# Altium PCB PCB_gravure_x4.PcbDoc (part 1 of 3)
Units mil, origin at the board's own origin, x right, y up, seen from the top; angles counter-clockwise.
Board outline 7410.01 x 4865 mil, 2 copper layers (Top Layer, Bottom Layer); 380 components, 0 nets, 1052 pads, 200 vias.
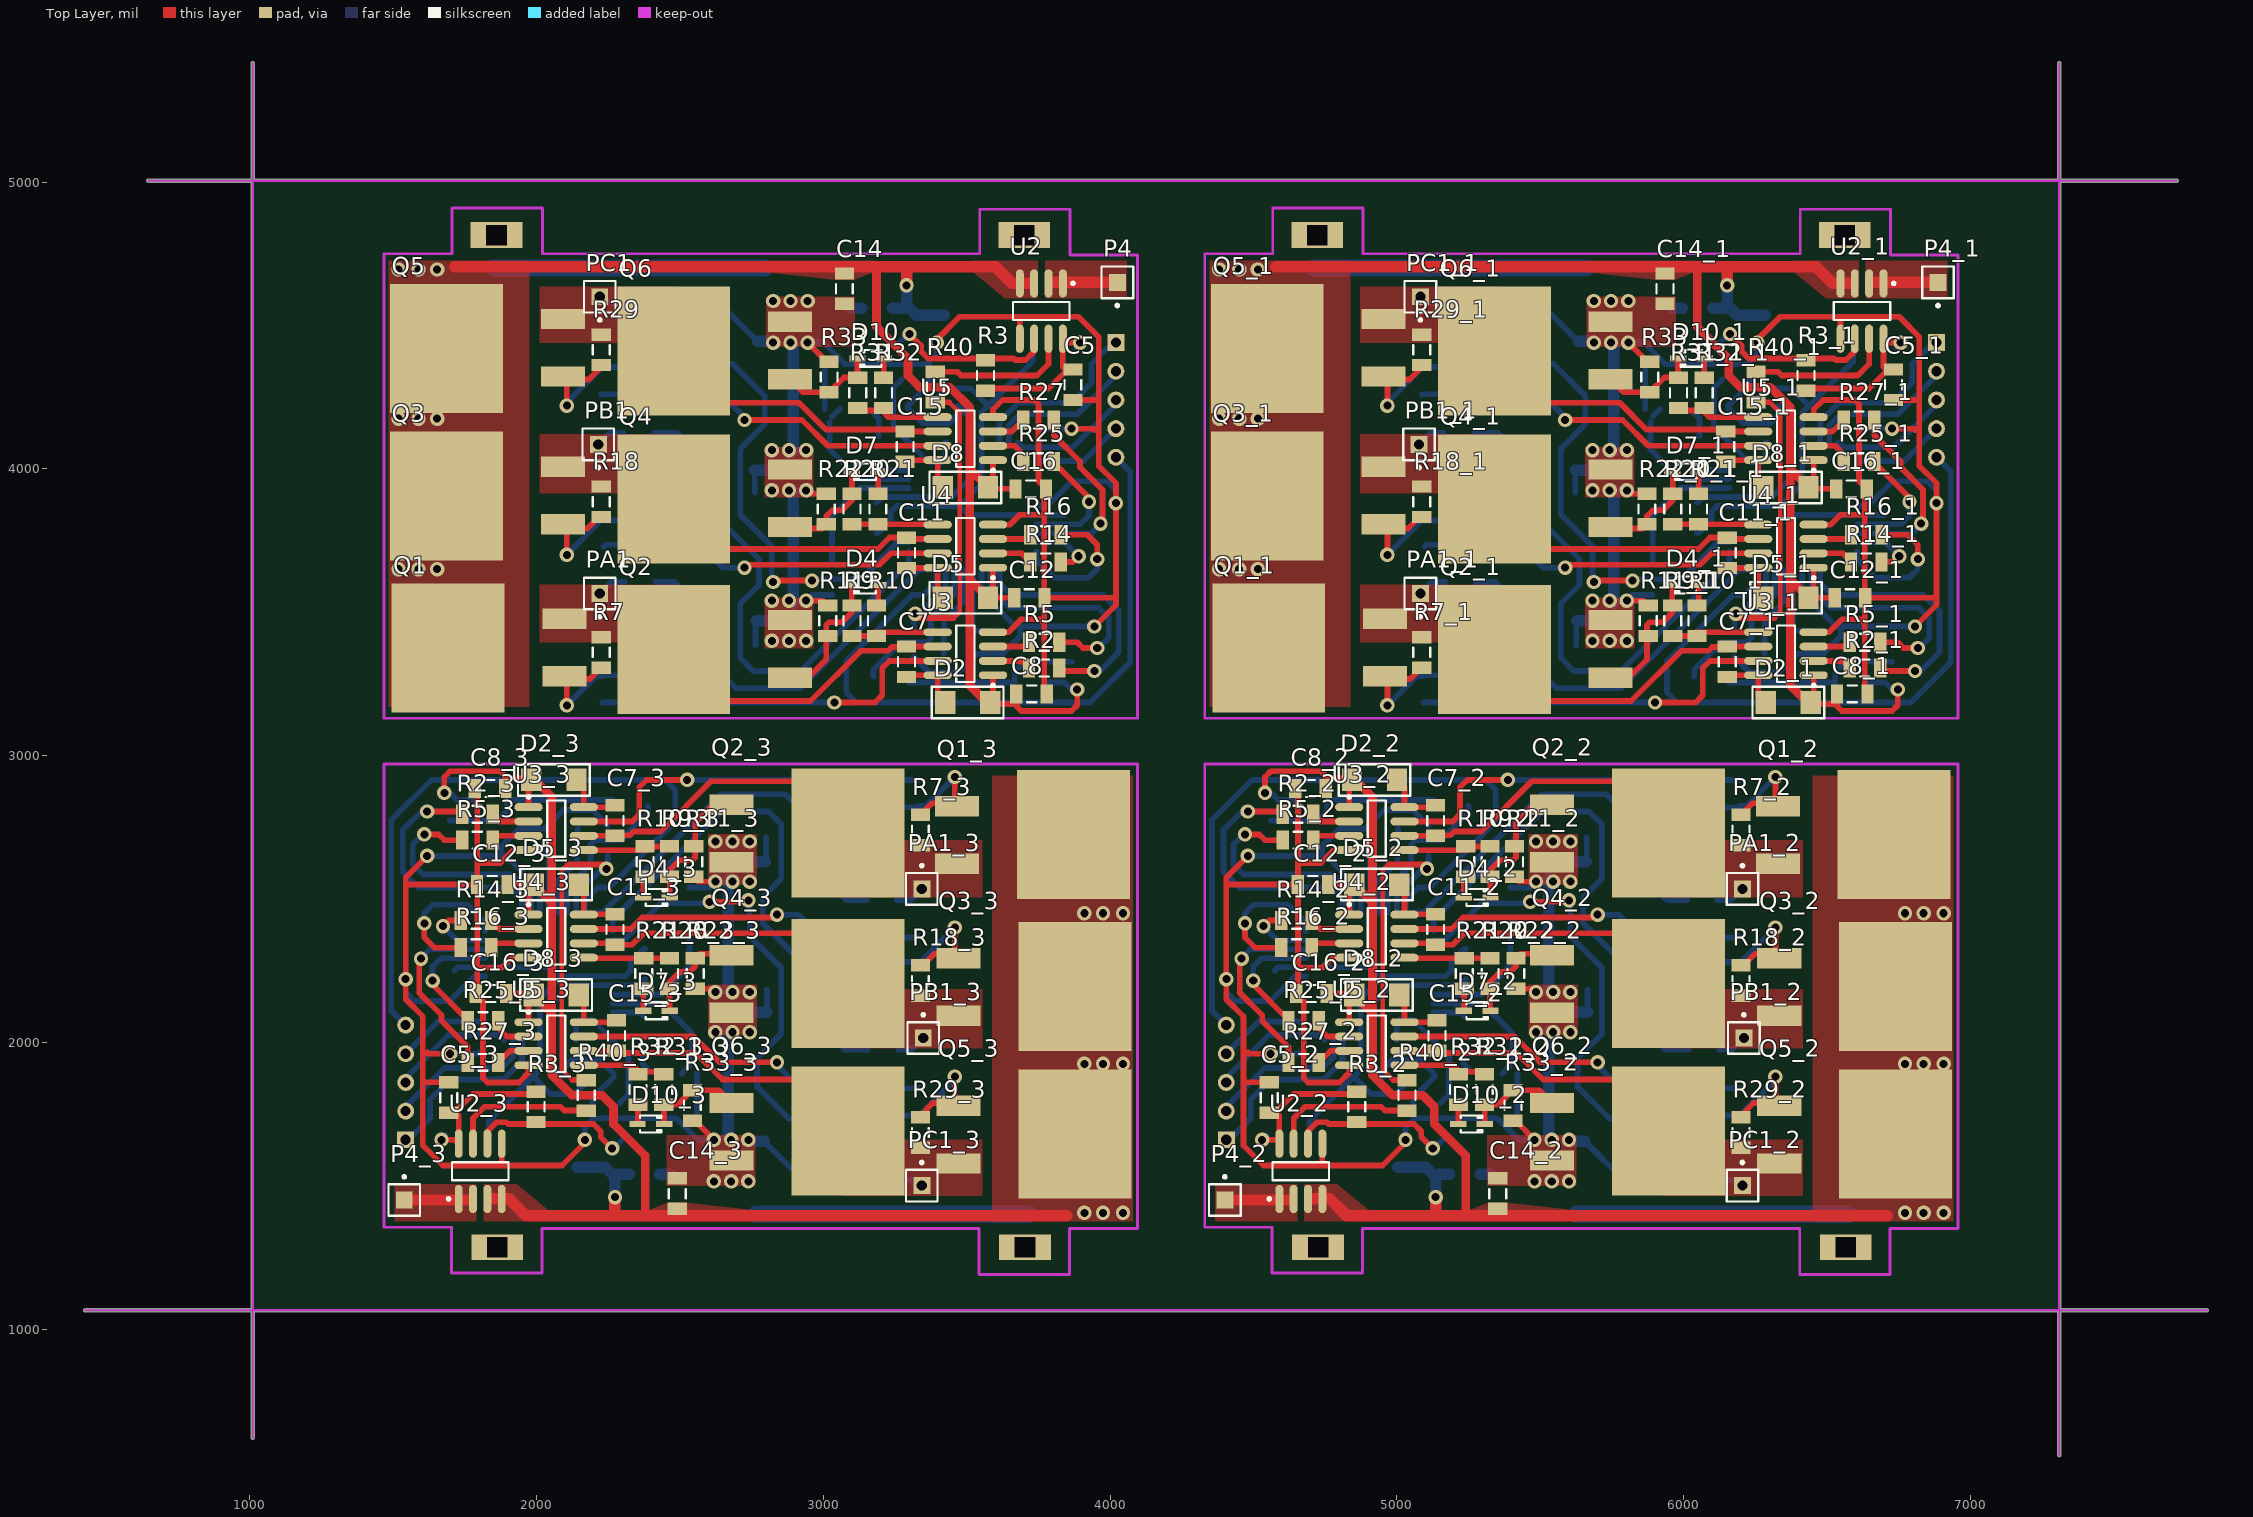
[diagram p0: Top Layer view]
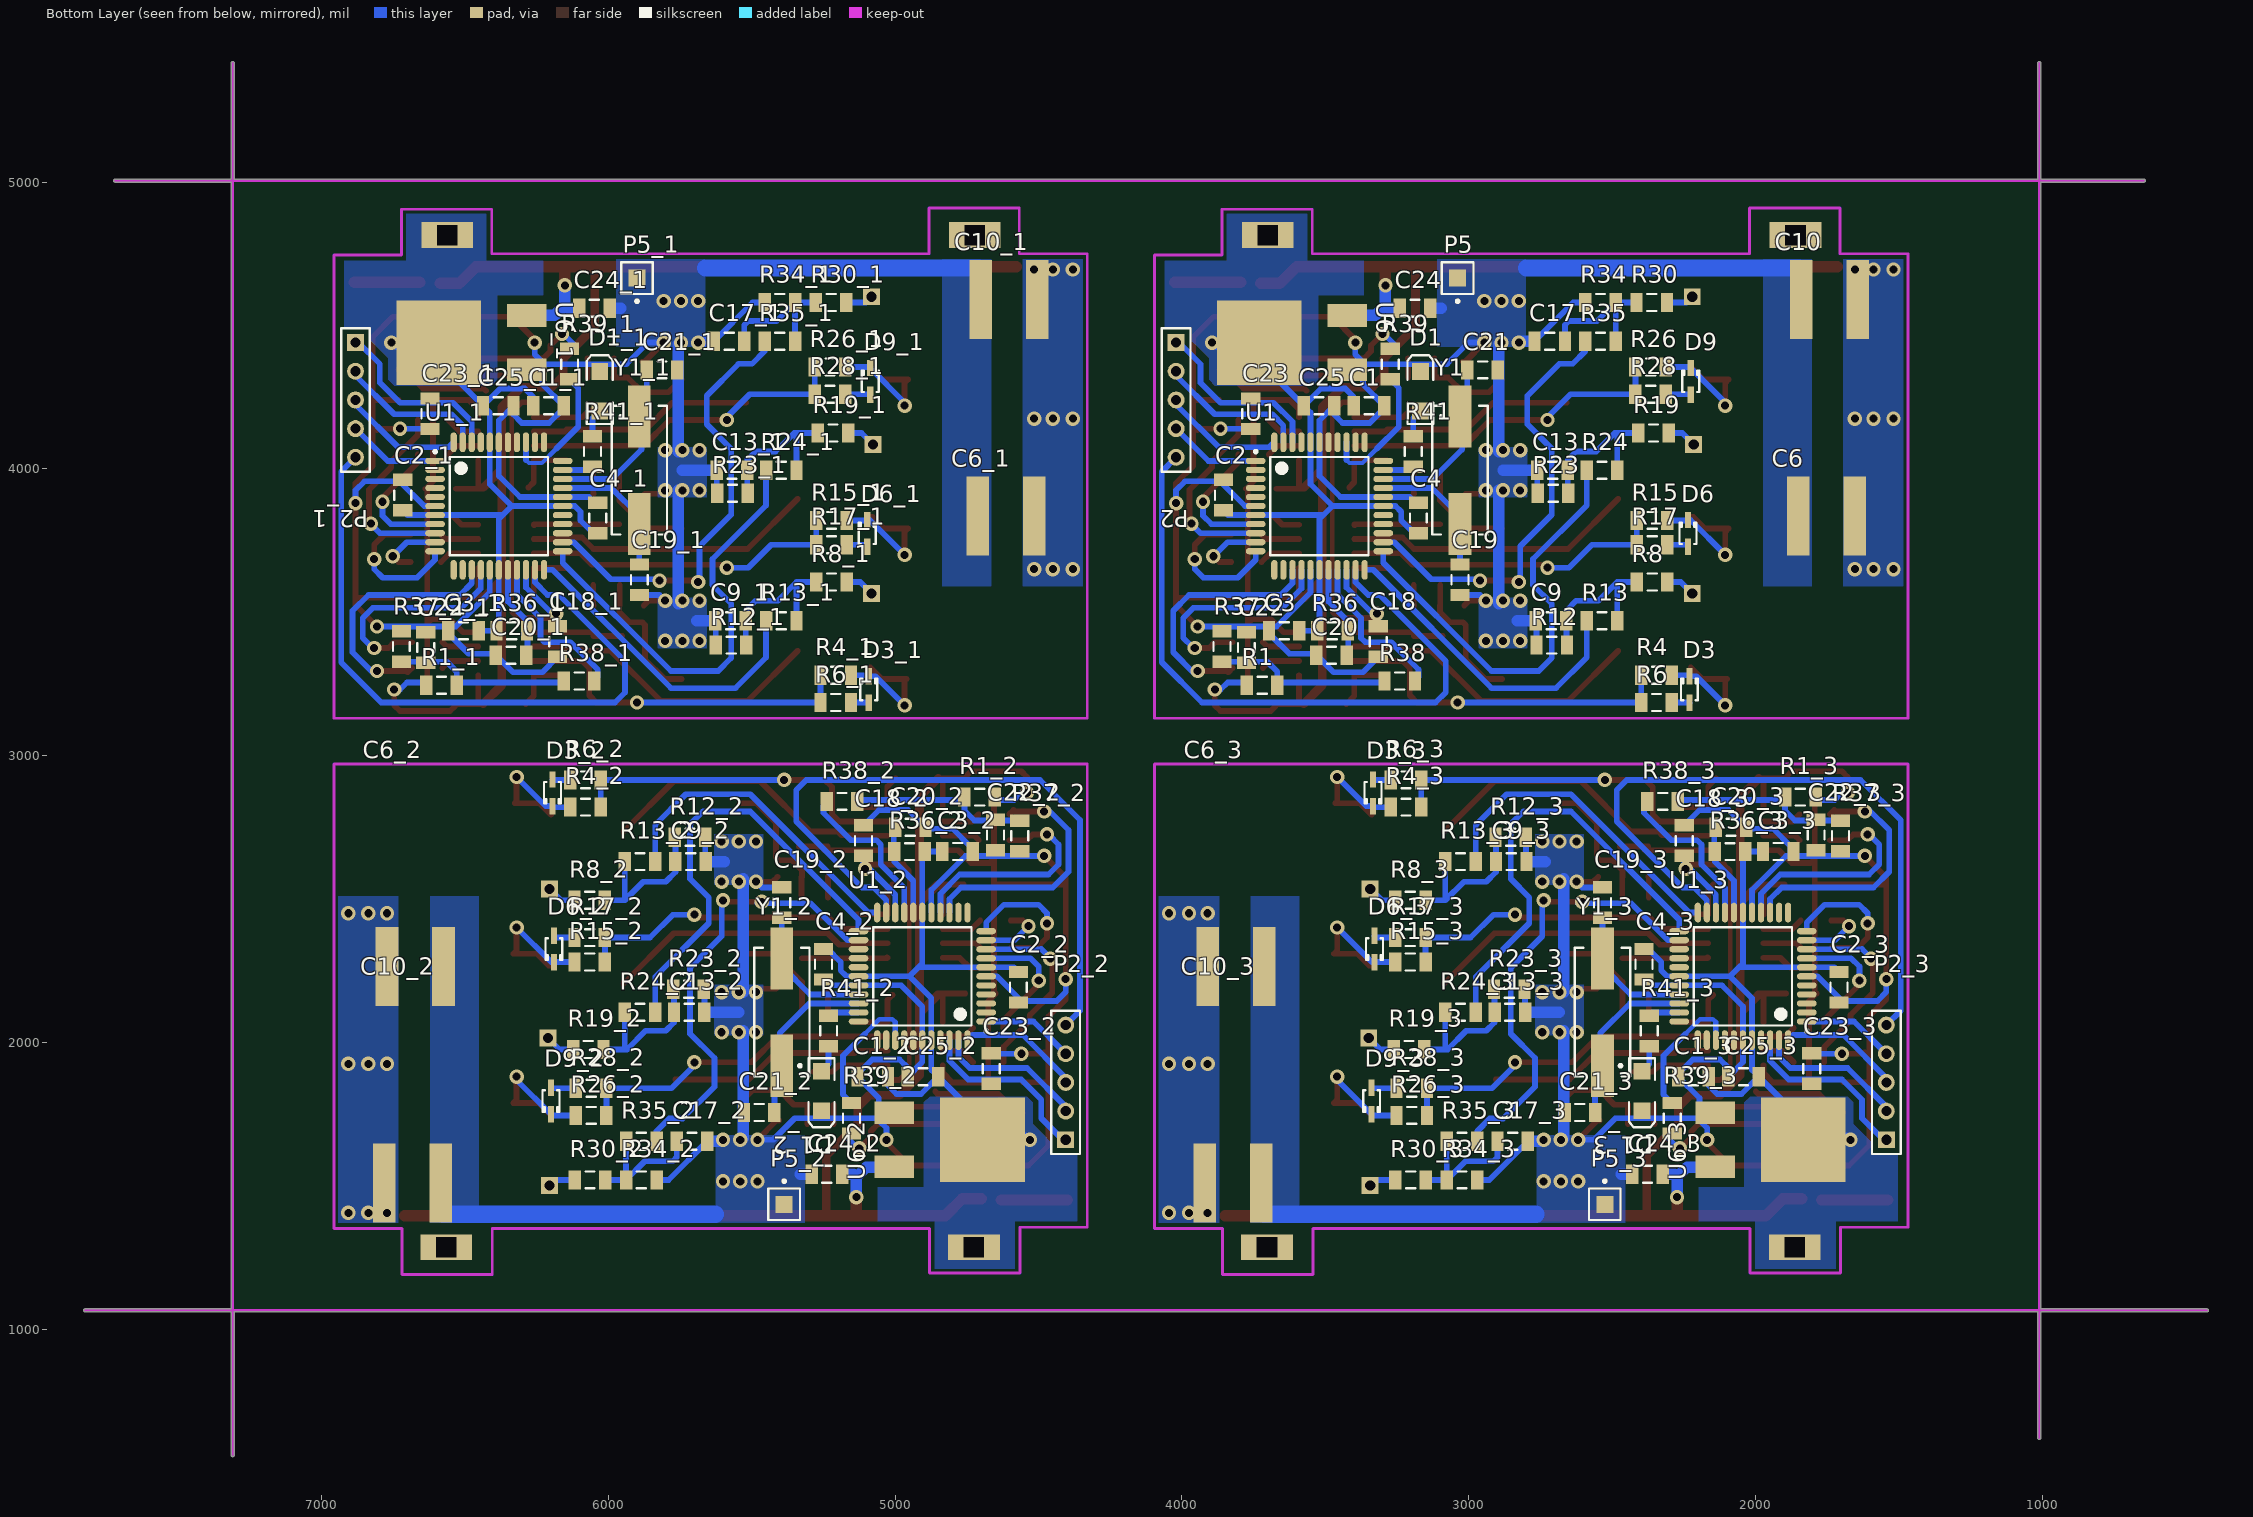
[diagram p1: Bottom Layer view, seen from below]

## Layer stack, top to bottom
Top Solder: solder mask 0.4, Solder Resist, Dk 3.5
Top Layer: signal copper 1.4
Dielectric 1: dielectric 12.6, FR-4, Dk 4.8
Bottom Layer: signal copper 1.4
Bottom Solder: solder mask 0.4, Solder Resist, Dk 3.5

## Board outline
1004.99,620 1004.99,1059.99 425,1059.99 cw(c425,1065) 425,1070.02 1004.99,1070.02 1004.99,4999.99 645,4999.99 cw(c645,5005) 645,5010.02 1004.99,5010.02 1004.99,5415 cw(c1010,5415) 1015.01,5415 1015.01,5010.02 7304.98,5010.02 7304.98,5415 cw(c7310,5415) 7315.02,5415 7315.02,5010.02 7720,5010.02 cw(c7720,5005) 7725.01,5005 cw(c7720,5005) 7720,4999.99 7315.02,4999.99 7315.02,1070.02 7825,1070.02 cw(c7825,1065) 7830.02,1065 cw(c7825,1065) 7825,1059.98 7315.02,1059.98 7315.02,560 cw(c7310,560) 7304.98,560 7304.98,1059.98 1015.01,1059.99 1015.01,620 cw(c1010,620)

## Design rules (kind name [scope] priority, off if disabled: settings)
Clearance [All] p1: gap=1
PolygonConnect [All] p1: connectstyle=Relief reliefconductorwidth=10 reliefentries=4 polygonreliefangle="90 Angle" airgapwidth=10
RoutingVias [All] p1: holewidth=28 width=50 viastyle="Through Hole" minholewidth=28 minwidth=50 maxholewidth=28 maxwidth=50
SolderMaskExpansion [All] p1: expansion=4
Width [All] p1: maxlimit=1000 minlimit=99999 preferedwidth=10 toplayer_minwidth=0 bottomlayer_minwidth=0 minimp=50.000000 maximp=50.000000 favimp=50.000000
30 further rules are at their usual default settings.

## Components (designator, comment, footprint, x,y, rotation, side; value= is the part's Value field where it differs from the comment)
C1 "Cap SMD" "1206 capacitor" 3345,4220 r0 bottom
C1_1 "Cap SMD" "1206 capacitor" 6206.88,4220 r0 bottom (schematic designator C1)
C1_2 "Cap SMD" "1206 capacitor" 5080,1880 r180 bottom (schematic designator C1)
C1_3 "Cap SMD" "1206 capacitor" 2218.12,1880 r180 bottom (schematic designator C1)
C2 "Cap SMD" "1206 capacitor" 3855,3910 r270 bottom
C2_1 "Cap SMD" "1206 capacitor" 6716.88,3910 r270 bottom (schematic designator C2)
C2_2 "Cap SMD" "1206 capacitor" 4570,2190 r90 bottom (schematic designator C2)
C2_3 "Cap SMD" "1206 capacitor" 1708.12,2190 r90 bottom (schematic designator C2)
C3 "Cap SMD" "1206 capacitor" 3645,3435 r180 bottom
C3_1 "Cap SMD" "1206 capacitor" 6506.88,3435 r180 bottom (schematic designator C3)
C3_2 "Cap SMD" "1206 capacitor" 4780,2665 r0 bottom (schematic designator C3)
C3_3 "Cap SMD" "1206 capacitor" 1918.12,2665 r0 bottom (schematic designator C3)
C4 "Cap SMD" "1206 capacitor" 3175,3830 r270 bottom
C4_1 "Cap SMD" "1206 capacitor" 6036.88,3830 r270 bottom (schematic designator C4)
C4_2 "Cap SMD" "1206 capacitor" 5250,2270 r90 bottom (schematic designator C4)
C4_3 "Cap SMD" "1206 capacitor" 2388.12,2270 r90 bottom (schematic designator C4)
C5 "Cap SMD" "1206 capacitor" 3870,4295 r270 top
C5_1 "Cap SMD" "1206 capacitor" 6731.88,4295 r270 top (schematic designator C5)
C5_2 "Cap SMD" "1206 capacitor" 4555,1805 r90 top (schematic designator C5)
C5_3 "Cap SMD" "1206 capacitor" 1693.12,1805 r90 top (schematic designator C5)
C6 "Cap pol" "Cap elec 10x16-5 Surface Mount" 1653.12,3835 r0 bottom
C6_1 "Cap pol" "Cap elec 10x16-5 Surface Mount" 4515,3835 r0 bottom (schematic designator C6)
C6_2 "Cap pol" "Cap elec 10x16-5 Surface Mount" 6771.88,2265 r180 bottom (schematic designator C6)
C6_3 "Cap pol" "Cap elec 10x16-5 Surface Mount" 3910,2265 r180 bottom (schematic designator C6)
C7 "Cap SMD" "1206 capacitor" 3290,3325 r90 top
C7_1 "Cap SMD" "1206 capacitor" 6151.88,3325 r90 top (schematic designator C7)
C7_2 "Cap SMD" "1206 capacitor" 5135,2775 r270 top (schematic designator C7)
C7_3 "Cap SMD" "1206 capacitor" 2273.12,2775 r270 top (schematic designator C7)
C8 "Cap SMD" "1206 capacitor" 3728.12,3215 r180 top
C8_1 "Cap SMD" "1206 capacitor" 6590,3215 r180 top (schematic designator C8)
C8_2 "Cap SMD" "1206 capacitor" 4696.88,2885 r0 top (schematic designator C8)
C8_3 "Cap SMD" "1206 capacitor" 1835,2885 r0 top (schematic designator C8)
C9 "Cap SMD" "1206 capacitor" 2710,3470 r0 bottom
C9_1 "Cap SMD" "1206 capacitor" 5571.88,3470 r0 bottom (schematic designator C9)
C9_2 "Cap SMD" "1206 capacitor" 5715,2630 r180 bottom (schematic designator C9)
C9_3 "Cap SMD" "1206 capacitor" 2853.12,2630 r180 bottom (schematic designator C9)
C10 "Cap pol" "Cap elec 10x16-5 Surface Mount" 1643.12,4590 r0 bottom
C10_1 "Cap pol" "Cap elec 10x16-5 Surface Mount" 4505,4590 r0 bottom (schematic designator C10)
C10_2 "Cap pol" "Cap elec 10x16-5 Surface Mount" 6781.88,1510 r180 bottom (schematic designator C10)
C10_3 "Cap pol" "Cap elec 10x16-5 Surface Mount" 3920,1510 r180 bottom (schematic designator C10)
C11 "Cap SMD" "1206 capacitor" 3290,3705 r90 top
C11_1 "Cap SMD" "1206 capacitor" 6151.88,3705 r90 top (schematic designator C11)
C11_2 "Cap SMD" "1206 capacitor" 5135,2395 r270 top (schematic designator C11)
C11_3 "Cap SMD" "1206 capacitor" 2273.12,2395 r270 top (schematic designator C11)
C12 "Cap SMD" "1206 capacitor" 3720,3550 r180 top
C12_1 "Cap SMD" "1206 capacitor" 6581.88,3550 r180 top (schematic designator C12)
C12_2 "Cap SMD" "1206 capacitor" 4705,2550 r0 top (schematic designator C12)
C12_3 "Cap SMD" "1206 capacitor" 1843.12,2550 r0 top (schematic designator C12)
C13 "Cap SMD" "1206 capacitor" 2705,3995 r0 bottom
C13_1 "Cap SMD" "1206 capacitor" 5566.88,3995 r0 bottom (schematic designator C13)
C13_2 "Cap SMD" "1206 capacitor" 5720,2105 r180 bottom (schematic designator C13)
C13_3 "Cap SMD" "1206 capacitor" 2858.12,2105 r180 bottom (schematic designator C13)
C14 "Cap SMD" "1206 capacitor" 3073.12,4630 r270 top
C14_1 "Cap SMD" "1206 capacitor" 5935,4630 r270 top (schematic designator C14)
C14_2 "Cap SMD" "1206 capacitor" 5351.88,1470 r90 top (schematic designator C14)
C14_3 "Cap SMD" "1206 capacitor" 2490,1470 r90 top (schematic designator C14)
C15 "Cap SMD" "1206 capacitor" 3285,4075 r90 top
C15_1 "Cap SMD" "1206 capacitor" 6146.88,4075 r90 top (schematic designator C15)
C15_2 "Cap SMD" "1206 capacitor" 5140,2025 r270 top (schematic designator C15)
C15_3 "Cap SMD" "1206 capacitor" 2278.12,2025 r270 top (schematic designator C15)
C16 "Cap SMD" "1206 capacitor" 3725,3930 r180 top
C16_1 "Cap SMD" "1206 capacitor" 6586.88,3930 r180 top (schematic designator C16)
C16_2 "Cap SMD" "1206 capacitor" 4700,2170 r0 top (schematic designator C16)
C16_3 "Cap SMD" "1206 capacitor" 1838.12,2170 r0 top (schematic designator C16)
C17 "Cap SMD" "1206 capacitor" 2715,4445 r0 bottom
C17_1 "Cap SMD" "1206 capacitor" 5576.88,4445 r0 bottom (schematic designator C17)
C17_2 "Cap SMD" "1206 capacitor" 5710,1655 r180 bottom (schematic designator C17)
C17_3 "Cap SMD" "1206 capacitor" 2848.12,1655 r180 bottom (schematic designator C17)
C18 "Cap SMD" "1206 capacitor" 3315,3395 r90 bottom
C18_1 "Cap SMD" "1206 capacitor" 6176.88,3395 r90 bottom (schematic designator C18)
C18_2 "Cap SMD" "1206 capacitor" 5110,2705 r270 bottom (schematic designator C18)
C18_3 "Cap SMD" "1206 capacitor" 2248.12,2705 r270 bottom (schematic designator C18)
C19 "Cap SMD" "1206 capacitor" 3030,3615 r270 bottom
C19_1 "Cap SMD" "1206 capacitor" 5891.88,3615 r270 bottom (schematic designator C19)
C19_2 "Cap SMD" "1206 capacitor" 5395,2485 r90 bottom (schematic designator C19)
C19_3 "Cap SMD" "1206 capacitor" 2533.12,2485 r90 bottom (schematic designator C19)
C20 "Cap SMD" "1206 capacitor" 3480,3350 r180 bottom
C20_1 "Cap SMD" "1206 capacitor" 6341.88,3350 r180 bottom (schematic designator C20)
C20_2 "Cap SMD" "1206 capacitor" 4945,2750 r0 bottom (schematic designator C20)
C20_3 "Cap SMD" "1206 capacitor" 2083.12,2750 r0 bottom (schematic designator C20)
C21 "Cap SMD" "1206 capacitor" 2953.12,4345 r180 bottom
C21_1 "Cap SMD" "1206 capacitor" 5815,4345 r180 bottom (schematic designator C21)
C21_2 "Cap SMD" "1206 capacitor" 5471.88,1755 r0 bottom (schematic designator C21)
C21_3 "Cap SMD" "1206 capacitor" 2610,1755 r0 bottom (schematic designator C21)
C22 "Cap SMD" "1206 capacitor" 3775,3375 r90 bottom
C22_1 "Cap SMD" "1206 capacitor" 6636.88,3375 r90 bottom (schematic designator C22)
C22_2 "Cap SMD" "1206 capacitor" 4650,2725 r270 bottom (schematic designator C22)
C22_3 "Cap SMD" "1206 capacitor" 1788.12,2725 r270 bottom (schematic designator C22)
C23 "Cap SMD" "1206 capacitor" 3760,4190 r90 bottom
C23_1 "Cap SMD" "1206 capacitor" 6621.88,4190 r90 bottom (schematic designator C23)
C23_2 "Cap SMD" "1206 capacitor" 4665,1910 r270 bottom (schematic designator C23)
C23_3 "Cap SMD" "1206 capacitor" 1803.12,1910 r270 bottom (schematic designator C23)
C24 "Cap Semi" "1206 capacitor" 3185,4560 r0 bottom
C24_1 "Cap Semi" "1206 capacitor" 6046.88,4560 r0 bottom (schematic designator C24)
C24_2 "Cap Semi" "1206 capacitor" 5240,1540 r180 bottom (schematic designator C24)
C24_3 "Cap Semi" "1206 capacitor" 2378.12,1540 r180 bottom (schematic designator C24)
C25 "Cap Semi" "1206 capacitor" 3520,4220 r0 bottom
C25_1 "Cap Semi" "1206 capacitor" 6381.88,4220 r0 bottom (schematic designator C25)
C25_2 "Cap Semi" "1206 capacitor" 4905,1880 r180 bottom (schematic designator C25)
C25_3 "Cap Semi" "1206 capacitor" 2043.12,1880 r180 bottom (schematic designator C25)
D1 "LED2" "LED 1206 BLUE" 3168.12,4270 r90 bottom
D1_1 "LED2" "LED 1206 BLUE" 6030,4270 r90 bottom (schematic designator D1)
D1_2 "LED2" "LED 1206 BLUE" 5256.88,1830 r270 bottom (schematic designator D1)
D1_3 "LED2" "LED 1206 BLUE" 2395,1830 r270 bottom (schematic designator D1)
D2 "Diode ES1G" DO-214AC 3503.12,3185 r180 top
D2_1 "Diode ES1G" DO-214AC 6365,3185 r180 top (schematic designator D2)
D2_2 "Diode ES1G" DO-214AC 4921.88,2915 r0 top (schematic designator D2)
D2_3 "Diode ES1G" DO-214AC 2060,2915 r0 top (schematic designator D2)
D3 "1N4148WS" SOD323 2230,3230 r90 bottom
D3_1 "1N4148WS" SOD323 5091.88,3230 r90 bottom (schematic designator D3)
D3_2 "1N4148WS" SOD323 6195,2870 r270 bottom (schematic designator D3)
D3_3 "1N4148WS" SOD323 3333.12,2870 r270 bottom (schematic designator D3)
D4 "1N4148WS" SOD323 3145,3595 r180 top
D4_1 "1N4148WS" SOD323 6006.88,3595 r180 top (schematic designator D4)
D4_2 "1N4148WS" SOD323 5280,2505 r0 top (schematic designator D4)
D4_3 "1N4148WS" SOD323 2418.12,2505 r0 top (schematic designator D4)
D5 "Diode ES1G" DO-214AC 3495,3550 r180 top
D5_1 "Diode ES1G" DO-214AC 6356.88,3550 r180 top (schematic designator D5)
D5_2 "Diode ES1G" DO-214AC 4930,2550 r0 top (schematic designator D5)
D5_3 "Diode ES1G" DO-214AC 2068.12,2550 r0 top (schematic designator D5)
D6 "1N4148WS" SOD323 2235,3775 r90 bottom
D6_1 "1N4148WS" SOD323 5096.88,3775 r90 bottom (schematic designator D6)
D6_2 "1N4148WS" SOD323 6190,2325 r270 bottom (schematic designator D6)
D6_3 "1N4148WS" SOD323 3328.12,2325 r270 bottom (schematic designator D6)
D7 "1N4148WS" SOD323 3145,3990 r180 top
D7_1 "1N4148WS" SOD323 6006.88,3990 r180 top (schematic designator D7)
D7_2 "1N4148WS" SOD323 5280,2110 r0 top (schematic designator D7)
D7_3 "1N4148WS" SOD323 2418.12,2110 r0 top (schematic designator D7)
D8 "Diode ES1G" DO-214AC 3495,3935 r180 top
D8_1 "Diode ES1G" DO-214AC 6356.88,3935 r180 top (schematic designator D8)
D8_2 "Diode ES1G" DO-214AC 4930,2165 r0 top (schematic designator D8)
D8_3 "Diode ES1G" DO-214AC 2068.12,2165 r0 top (schematic designator D8)
D9 "1N4148WS" SOD323 2225,4305 r90 bottom
D9_1 "1N4148WS" SOD323 5086.88,4305 r90 bottom (schematic designator D9)
D9_2 "1N4148WS" SOD323 6200,1795 r270 bottom (schematic designator D9)
D9_3 "1N4148WS" SOD323 3338.12,1795 r270 bottom (schematic designator D9)
D10 "1N4148WS" SOD323 3165,4385 r180 top
D10_1 "1N4148WS" SOD323 6026.88,4385 r180 top (schematic designator D10)
D10_2 "1N4148WS" SOD323 5260,1715 r0 top (schematic designator D10)
D10_3 "1N4148WS" SOD323 2398.12,1715 r0 top (schematic designator D10)
P2 "Header 5" HDR1X5 4020,4440 r270 bottom
P2_1 "Header 5" HDR1X5 6881.88,4440 r270 bottom (schematic designator P2)
P2_2 "Header 5" HDR1X5 4405,1660 r90 bottom (schematic designator P2)
P2_3 "Header 5" HDR1X5 1543.12,1660 r90 bottom (schematic designator P2)
P4 "Plug" PIN1#1 4025,4650 r180 top
P4_1 "Plug" PIN1#1 6886.88,4650 r180 top (schematic designator P4)
P4_2 "Plug" PIN1#1 4400,1450 r0 top (schematic designator P4)
P4_3 "Plug" PIN1#1 1538.12,1450 r0 top (schematic designator P4)
P5 "Plug" PIN1#1 3038.12,4665 r0 bottom
P5_1 "Plug" PIN1#1 5900,4665 r0 bottom (schematic designator P5)
P5_2 "Plug" PIN1#1 5386.88,1435 r180 bottom (schematic designator P5)
P5_3 "Plug" PIN1#1 2525,1435 r180 bottom (schematic designator P5)
PA1 "Plug" PIN1#2 2220,3565 r180 top
PA1_1 "Plug" PIN1#2 5081.88,3565 r180 top (schematic designator PA1)
PA1_2 "Plug" PIN1#2 6205,2535 r0 top (schematic designator PA1)
PA1_3 "Plug" PIN1#2 3343.12,2535 r0 top (schematic designator PA1)
PB1 "Plug" PIN1#2 2215,4085 r180 top
PB1_1 "Plug" PIN1#2 5076.88,4085 r180 top (schematic designator PB1)
PB1_2 "Plug" PIN1#2 6210,2015 r0 top (schematic designator PB1)
PB1_3 "Plug" PIN1#2 3348.12,2015 r0 top (schematic designator PB1)
PC1 "Plug" PIN1#2 2220,4600 r180 top
PC1_1 "Plug" PIN1#2 5081.88,4600 r180 top (schematic designator PC1)
PC1_2 "Plug" PIN1#2 6205,1500 r0 top (schematic designator PC1)
PC1_3 "Plug" PIN1#2 3343.12,1500 r0 top (schematic designator PC1)
Q1 "STB85NF55T4" TO-263-2 1498.12,3135 r90 top
Q1_1 "STB85NF55T4" TO-263-2 4360,3135 r90 top (schematic designator Q1)
Q1_2 "STB85NF55T4" TO-263-2 6926.88,2965 r270 top (schematic designator Q1)
Q1_3 "STB85NF55T4" TO-263-2 4065,2965 r270 top (schematic designator Q1)
Q2 "STB85NF55T4" TO-263-2 2285,3130 r90 top
Q2_1 "STB85NF55T4" TO-263-2 5146.88,3130 r90 top (schematic designator Q2)
Q2_2 "STB85NF55T4" TO-263-2 6140,2970 r270 top (schematic designator Q2)
Q2_3 "STB85NF55T4" TO-263-2 3278.12,2970 r270 top (schematic designator Q2)
Q3 "STB85NF55T4" TO-263-2 1493.12,3665 r90 top